# Altium PCB PFC_Interleaved_V8.1.PcbDoc (part 1 of 3) (continued)
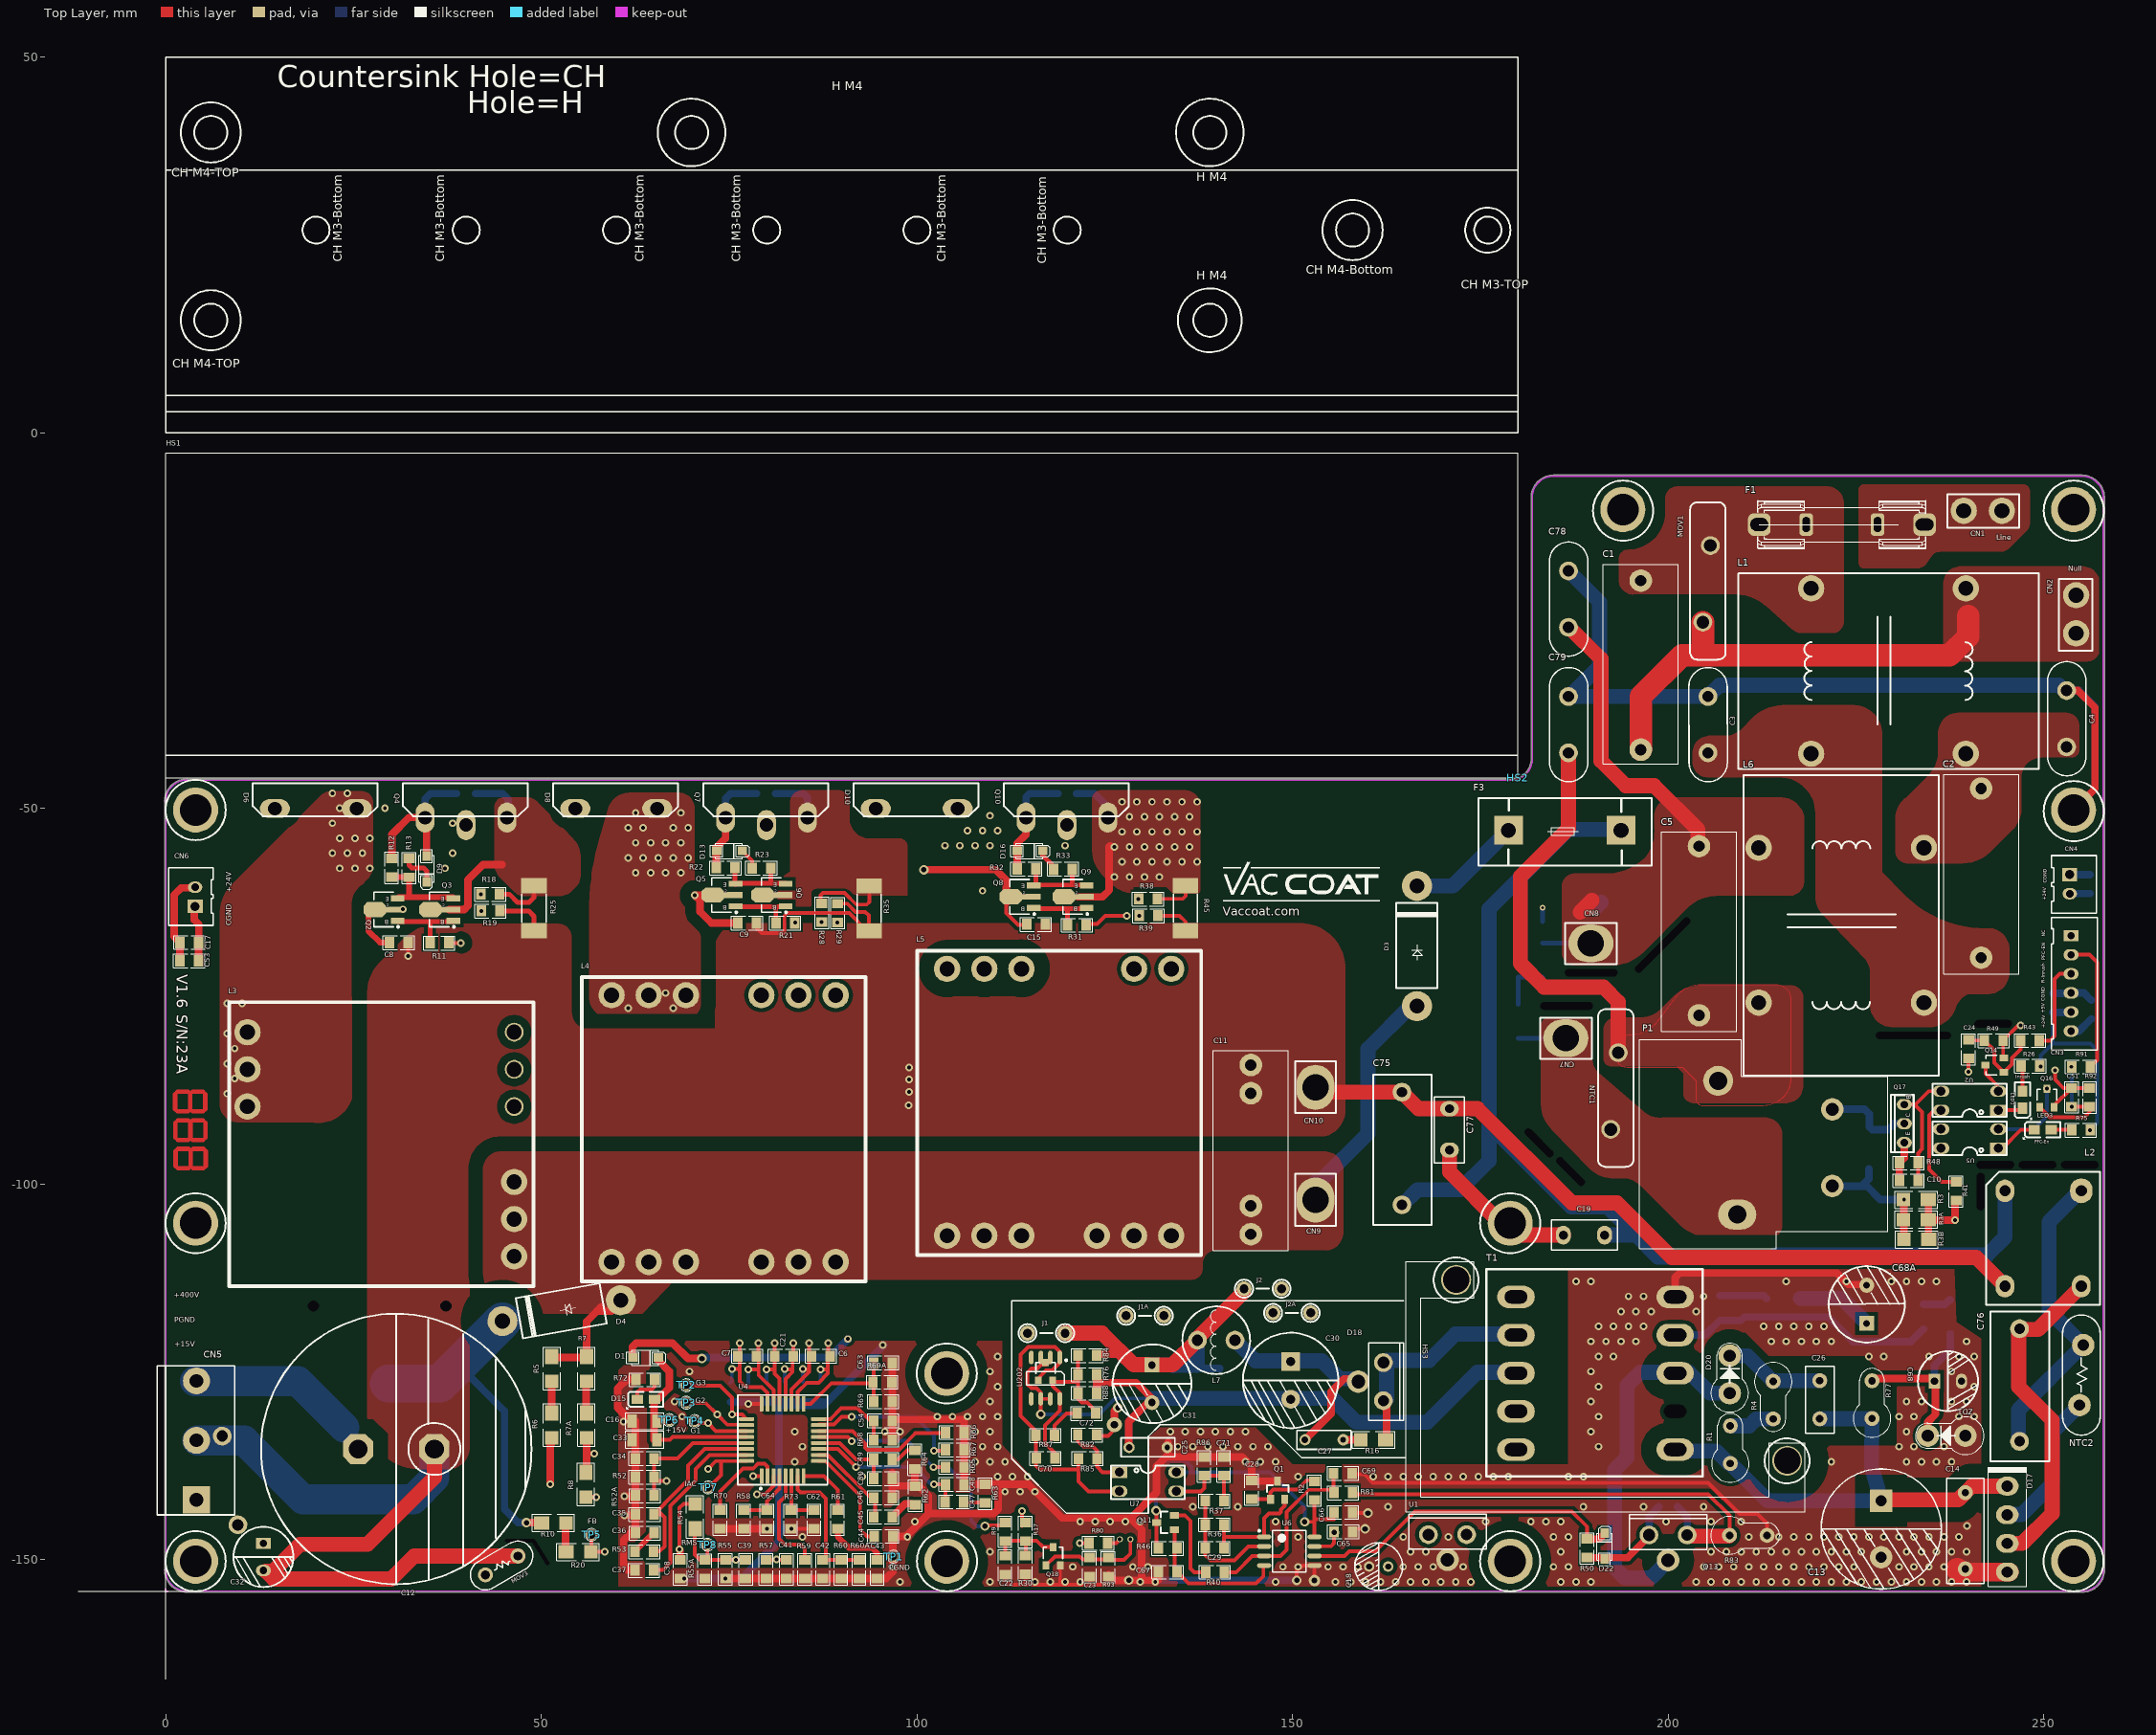
[diagram p0: Top Layer view]
## Components (designator, comment, footprint, x,y, rotation, side; value= is the part's Value field where it differs from the comment) (continued)
R54 "200K" R-1206 70.46,-144.17 r270 top
R55 "33K" R-0805 74.524,-151.257 r90 top
R55A "820K" R-0805 71.806,-151.282 r90 top
R56 "820K" R-1206 181.559,-65.024 r0 bottom
R56A "4.7M" R-1206 179.984,-70.87 r90 bottom
R57 "22K" R-0805 79.959,-151.257 r90 top
R58 "39K" R-0805 76.962,-144.653 r90 top
R59 "20K" R-0805 85.09,-151.257 r90 top
R60 "12K" R-0805 89.916,-151.257 r90 top
R60A "22K" R-0805 92.329,-151.257 r90 top
R61 "4.7K" R-0805 89.459,-144.653 r90 top
R62 "39K" R-0805 99.797,-141.453 r90 top
R63 "39K" R-0805 109.093,-141.199 r90 top
R64 "39K" R-0805 99.72,-136.677 r270 top
R65 "0R" R-0805 105.029,-137.693 r0 top
R66 "0R" R-0805 105.054,-133.071 r0 top
R67 "0R" R-0805 105.029,-135.382 r0 top
R68 "10K" R-0805 95.504,-134.075 r0 top
R69 "56K" R-0805 95.504,-128.95 r0 top
R69A "150K" R-0805 95.394,-126.388 r0 top
R70 "0R" R-0805 73.787,-144.653 r270 top
R72 "4.7K" R-0805 63.805,-126.009 r180 top
R73 "12K" R-0805 83.21,-144.653 r90 top
R75 "1K" R-0805 254.965,-92.786 r180 top
R76 "47K" R-0805 122.682,-125.374 r0 top
R77 "100K, 2W" RESISTOR_VERTICAL3 227.152,-131.191 r180 top
R79 "10K" R-0805 200.025,-142.951 r180 bottom
R80 "1K" R-0805 124.155,-147.777 r180 top
R81 "1K" R-0805 156.743,-141.072 r180 top
R82 "820R" R-0805 122.657,-133.375 r180 top
R83 "0.82, 2W" RESISTOR_VERTICAL3 208.178,-146.761 r90 top
R84 "27K" R-0805 122.682,-122.784 r180 top
R85 "1K" R-0805 122.733,-136.55 r0 top
R86 "2.2K" R-0805 138.252,-137.566 r90 top
R87 "10K" R-0805 117.094,-133.452 r180 top
R88 "3.3K" R-0805 122.682,-127.842 r0 top
R89 "330K-Axial 0.8" "Res DC Link  axial 0.6" 37.313,-116.23 r180 bottom
R91 "1K" R-0805 254.965,-84.404 r0 top
R92 "10K" R-0805 256.108,-88.468 r270 top
R93 "10K" R-0805 125.501,-150.978 r90 top
T1 "EE2525" EE2525_COMB4 200.076,-135.331 r90 top
TP1 "PGND" TEST-POINT 96.876,-149.581 r0 top
TP2 "G3" TEST-POINT 69.291,-126.771 r90 top
TP3 "G2" TEST-POINT 69.291,-129.083 r90 top
TP4 "G1" TEST-POINT 70.409,-131.547 r90 top
TP5 "FB" TEST-POINT 56.667,-146.685 r90 top
TP6 "+15V" TEST-POINT 67.031,-131.42 r90 top
TP7 "IAC" TEST-POINT 72.212,-140.386 r90 top
TP8 "RMS" TEST-POINT 72.136,-148.006 r90 top
U1 "7815A" TO220F-BENT-LEG 170.637,-148.336 r0 top
U2 "PC817" DIP_4 240.157,-88.9 r180 top
U4 "FAN9673" LQFP-32-FAN9673 82.113,-134.064 r90 top
U5 "PC817" DIP_4 240.157,-93.955 r180 top
U6 "UC3845" SO-8-W-L-FLY 149.581,-148.869 r0 top
U7 "PC817" DIP_4 130.747,-139.624 r0 top
U202 "TL431ACD" SO8+SOT23 118.974,-123.444 r0 top
ZD1 "1N5358B, 22VZ" DIODE_VERTICAL3 239.573,-133.502 r270 top

## Footprints (in the part's own frame and the unit in brackets; to place one, negate y for a bottom-side part, rotate by r counter-clockwise, add the part's x,y. Pads: shape width x height; smd on the part's side, far side on the other; paste and mask are expansions set on the pad)
832A1AS12VDCVDE-K [mm]
  round 4 hole 2.4: 2(-3.8,8.9)
  oval 5.08x4 hole 2.4: 3(-1.26,-8.9)
  round 3 hole 1.7: 4(11.4,5.1) 5(11.4,-5.1)
  silkscreen extent -14.27,-13.41 18.8,14.43, body extent -13.94,-13.21 18.57,14.22, height 1.71
BD137-K [mm]
  oval 1.5x2 hole 1: 1(-2.54,0) 2(0,0) 3(2.54,0)
  silkscreen extent -3.81,-1.27 3.81,1.78, body extent -4,-1.1 3.8,1.7, height 15.75
C-0805 [mm]
  rect 1.27x1.5 smd: 1(-1.245,0) 2(1.245,0)
  silkscreen extent -2.08,-0.94 2.08,0.89, body extent -1.02,-0.63 1.02,0.64, height 0.65
C-1206 [mil]
  rect 50x70 smd: 1(-65,0) 2(65,0)
  silkscreen extent -100,-44 100,45, body extent -63,-31 63,31, height 39
"Cap RAD7.5-16x35-2" [mm]
  rect 3x3 hole 1.5: 1(0,0)
  round 3 hole 1.5: 2(-7.5,0)
  silkscreen extent -11.75,-8 4.25,8, body extent -11.96,-8.26 4.52,8.22, height 25.4
"CAP RAD-0.2" [mm]
  round 2 hole 1: 1(0,0) 2(5.08,0)
  silkscreen extent -1.91,-1.91 6.98,1.91, body extent -0.54,-0.5 5.46,0.5, height 7
CAP-15mm-22mm-MKT-Qourum [mm]
  round 3 hole 1.5 mask+0: 1(-11.26,0) 2(11.26,0)
  silkscreen extent -13.17,-5 13.43,5, body extent -13.19,-5.08 13.31,4.92, height 18.51
CAP-15MM-22MM-MKT-QOURUM-2 [mm]
  round 3 hole 1.5 mask+0: 1(-11.26,0) 1(-7.5,0) 2(7.5,0) 2(11.26,0)
  silkscreen extent -13.17,-5 13.43,5, body extent -13.19,-5.08 13.31,4.92, height 18.51
CAP-ELEC-8MM*12MM [mm]
  rect 1.5x2 hole 1: 1(1.8,0)
  oval 1.5x2 hole 1: 2(-1.8,0)
  silkscreen extent -4,-4 4,4, body extent -4.05,-3.99 4,4, height 12.1
CAP-ELEC-10MM*20MM [mm]
  rect 2x2 hole 0.9: 1(2.54,0)
  round 2 hole 0.9: 2(-2.54,0)
  silkscreen extent -5.08,-5.13 5.08,5.08, body extent -5.04,-4.96 4.95,5.01, height 20.1
CAP-ELEC-12MM*25MM [mm]
  rect 2.5x2.5 hole 1.2: 1(2.5,0)
  round 2.5 hole 1.2: 2(-2.5,0)
  silkscreen extent -6.35,-6.35 6.35,6.35, body extent -6.34,-6.25 6.17,6.25, height 25.02
CAP-ELECTROLYTIC-680UF-2 [mm]
  oct 4x4 hole 2.5: 1(-5.08,0) 2(5.08,0)
  silkscreen extent -18,-18 18,18, body extent -17.86,-18.25 18.29,17.74, height 50.1
CAP-RAD-7.5MM-PFC [mm]
  round 2.5 hole 1.5: 1(-3.75,0) 2(3.75,0)
  silkscreen extent -7.61,-2.54 7.6,2.58, body extent -5.94,-2.48 6.06,2.52, height 14
CAP-TH-5MM [mm]
  oval 2x2.5 hole 1.2: 1(-2.75,0) 2(2.75,0)
  silkscreen extent -4.33,-2 4.49,2, body extent -4.45,-1.78 4.54,1.82, height 9.5
CAP-X-2 [mm]
  round 2.5 hole 1.4: 1(0,0) 2(0,15)
  silkscreen extent -3.94,-2.31 3.84,17.65, body extent -3.94,-2.29 3.81,17.65, height 16
CAP_ELECTROLYTIC1 [mm]
  rect 2x2 hole 1: 1(0,0)
  round 2 hole 1: 2(5,0)
  silkscreen extent -2.75,-5.25 7.75,5.25, body extent -2.63,-5.08 7.51,4.92, height 18.1
CAP_ELECTROLYTIC5 [mm]
  round 1.4 hole 0.8: 1(0,0) 2(2.54,0)
  silkscreen extent -1.91,-3.17 4.44,3.17, body extent -1.8,-2.87 4.33,3.12, height 12.1
"Common Mode inductor-3" [mm]
  round 3.5 hole 2: 1(11,-10.3) 2(-11,-10.3) 3(11,10.3) 4(-11,10.3)
  silkscreen extent -13,-20 13,20, body extent -12.85,-19.94 13.21,19.96, height 40
CONNECTOR-LUG [mm]
  round 3.5 hole 2: 1(-2.54,0) 1(2.54,0)
  silkscreen extent -4.83,-2.16 4.7,2.29, body extent -5.7,-1.47 5.8,1.53, height 13.1
CONNECTOR-LUG-2 [mm]
  oval 6x5 hole 3.5: 1(-0.051,-0.076)
  silkscreen extent -3.53,-2.77 3.38,2.67
CONNECTOR-XH-2 [mm]
  rect 1.8x2 hole 1.2: 1(-1.27,0)
  oval 1.5x1.905 hole 1.016: 2(1.27,0)
  silkscreen extent -3.81,-2.43 3.86,3.53, body extent -3.69,-2.31 3.74,3.42, height 6.85
CONNECTOR-XH-6 [mm]
  rect 1.5x2 hole 1: 1(-6.35,0)
  oval 1.5x2 hole 1: 2(-3.81,0) 3(-1.27,0) 4(1.27,0) 5(3.81,0) 6(6.35,0)
  silkscreen extent -8.79,-2.63 8.86,3.49, body extent -8.66,-2.49 8.71,3.35, height 7.21
DIODE-AXIAL-12MM-1200V [mm]
  round 2.5 hole 1.5: 1(6,0) 2(-6,0)
  silkscreen extent -4.25,-1.8 4.25,1.78, body extent -6.5,-1.78 6.5,1.78, height 3.68
DIODE_VERTICAL3 [mm]
  round 3 hole 1.6: 1(0,0) 2(0,-5)
  silkscreen extent -2.5,-6.65 2.5,2.5, body extent -2.5,-5.54 2.5,2.5, height 10.5
DIODEBRIDGE_KBP210 [mm]
  oval 2.5x3 hole 1.5: 1(0,0) 2(3.81,0) 3(7.62,0) 4(11.43,0)
  silkscreen extent -2.54,-2.54 13.33,2.54, body extent -1.78,-2.41 13.33,2.54, height 20
DIP_4 [mm]
  rect 2.2x1.5 hole 1.2: 1(-3.81,1.27)
  oval 2.2x1.5 hole 1.2: 2(-3.81,-1.27) 3(3.81,-1.27) 4(3.81,1.27)
  silkscreen extent -4.93,-2.29 4.93,2.16, body extent -3.94,-2.41 3.94,2.17, height 5.3
DO-214AC-SMA-2 [mm]
  rect 2x2.3 smd: 1(2.25,0) 2(-2.25,0)
  silkscreen extent -3.68,-1.55 3.43,1.47, body extent -2.72,-1.4 2.78,1.4, height 2.6
EE2525_COMB4 [mm]
  oval 3x5 hole 1.75 slot 3 at 90 deg: 1(0,-0.864) 3(10.16,-0.864) 4(15.24,-0.864) 5(20.32,-0.864) 6(20.32,20.32) 7(15.24,20.32) 8(10.16,20.32) 9(5.08,20.32) 10(0,20.32)
  round 0 hole 1.75 slot 3 at 90 deg unplated: 2(5.08,-0.864)
  silkscreen extent -3.56,-4.53 24,24.27, body extent -3.41,-4.13 24.09,23.87, height 19.71
"Fuse 5x20_V2" [mm]
  rrect50% 3x3 hole 1.6 slot 2.4 at 90 deg: 1(0,11)
  rrect50% 3x1.8 hole 1 slot 2 at 0 deg: 1(0,4.75) 2(0,-4.75)
  rrect50% 3x3 hole 1.7 slot 2.4 at 90 deg: 2(0,-11)
  silkscreen extent -3.18,-11.19 3.18,11.19, body extent -3.17,-11.69 3.17,11.69, height 8.63
"Fuse Combination" [mm]
  rect 3.81x3.81 hole 2: 1(0,0) 2(15,0)
  silkscreen extent -3.96,-4.7 19.04,4.3, body extent -4.66,-4.67 19.55,4.32, height 11.99
HEATSINK12 [mm]
  round 4 hole 3.5: 1(0,0) 4(24.079,44.069)
  silkscreen extent -3,-6.7 30.87,47.07, body extent -2.94,-6.91 31.06,47.09, height 32
HEATSINK-HC-1 [mm]
  silkscreen extent -180,0 0,40.16, body extent -180,0 0,39.98, height 120
HEATSINK-HC--PFC-2 [mm]
  silkscreen extent -180,-0.01 0,3, body extent -179.99,0 0.01,3.02, height 45
INDUCTOR-BAR-P5-D10 [mm]
  round 2.5 hole 1.5: 1(0,0) 2(0,-5)
  silkscreen extent -4.49,-6.99 4.51,2.01, body extent -4.06,-6.53 3.94,1.45, height 10
JUMPER-5MM [mm]
  round 2 hole 1.2: 1(-2.5,0) 2(2.5,0)
  silkscreen extent -3.7,-1.2 3.7,1.2, body extent -2.5,-0.18 2.5,0.22, height 0.2
LED-0805 [mil]
  rect 60x50 smd: 1(-45,0) 2(45,0)
  silkscreen extent -91,-40 103,50, body extent -41,-26 39,24, height 43
LQFP-32-FAN9673 [mm]
  rrect25% 2x0.508 smd: 1(-4.815,2.8) 2(-4.815,2) 3(-4.815,1.2) 4(-4.815,0.4) 5(-4.815,-0.4) 6(-4.815,-1.2) 7(-4.815,-2) 8(-4.815,-2.8) 17(4.815,-2.8) 18(4.815,-2) 19(4.815,-1.2) 20(4.815,-0.4) 21(4.815,0.4) 22(4.815,1.2) 23(4.815,2) 24(4.815,2.8)
  rrect25% 0.508x2 smd: 9(-2.8,-4.815) 10(-2,-4.815) 11(-1.2,-4.815) 12(-0.4,-4.815) 13(0.4,-4.815) 14(1.2,-4.815) 15(2,-4.815) 16(2.8,-4.815) 25(2.8,4.815) 26(2,4.815) 27(1.2,4.815) 28(0.4,4.815) 29(-0.4,4.815) 30(-1.2,4.815) 31(-2,4.815) 32(-2.8,4.815)
  silkscreen extent -6.58,-5.97 5.97,5.97, body extent -4.5,-4.5 4.5,4.5, height 1.1
MSOT-23 [mm]
  rect 0.9x1.1 smd: 1(-0.95,-1.223) 2(0.95,-1.223) 3(0,1.223)
  silkscreen extent -1.3,-0.3 1.3,1.18, body extent -1.45,-1.27 1.45,1.15, height 0.98
MUR460 [mm]
  round 4 hole 2: 1(-8,0) 2(8,0)
  silkscreen extent -5.61,-2.69 5.71,2.74, body extent -7.67,-2.49 7.77,2.62, height 7.56
NTC-8mm [mm]
  round 3 hole 1.5: 1(-4,0.25) 2(4,-0.25)
  silkscreen extent -8,-2.5 8,2.5, body extent -6.42,-0.94 6.27,1.06, height 13.46
PWL_5 [mm] "Connector; Header; 5 Position (Make www.tarahiboard.com)"
  rect 3.6x3.6 hole 1.8: 1(-7.92,0)
  round 3.6 hole 1.8: 3(0,0) 5(7.92,0)
  silkscreen extent -9.92,-5.1 9.9,5.21, body extent -9.9,-5 9.9,5, height 13.5
R-0805 [mm]
  rect 1.27x1.5 smd: 1(1.245,0) 2(-1.245,0)
  silkscreen extent -2.08,-0.89 2.08,0.94, body extent -1.02,-0.63 1.02,0.64, height 0.6
R-1206 [mil]
  rect 70x70 smd: 1(-62,0)
  rect 80x70 smd: 2(68,0)
  silkscreen extent -106,-45 117,45, body extent -63,-31 63,32, height 39
R-2512 [mm]
  rect 2x3.4 smd: 1(3,0) 2(-3,0)
  silkscreen extent -1.9,-1.6 1.9,1.6, body extent -3.34,-1.63 3.08,1.57, height 0.58
RAD-0.2-S-2 [mil]
  round 59.06 hole 35.43: 1(-100,0)
  round 60 hole 30: 2(100,0)
  silkscreen extent -142,-50 140,50, body extent -116,-18 120,22, height 276
RAD-0.4-AUX [mm]
  round 2 hole 1: 1(-5.08,0) 2(5.08,0)
  silkscreen extent -7,-2.5 7,2.5, body extent -6.91,-2.41 6.88,2.39, height 10
"Res DC Link  axial 0.6" [mm]
  round 3 / inner round 3 / far side round 0 hole 1.5: 1(0,0) 2(17.653,0)
  silkscreen extent 0.29,-3 17.37,3, body extent -1.46,-2.83 19.17,2.77, height 6.8
RESISTOR_VERTICAL3 [mm]
  round 2 hole 1: 1(0,0) 2(0,-5)
  silkscreen extent -2.5,-6.65 2.5,2.5, body extent -2.41,-5.67 2.57,2.54, height 21.31
SO8+SOT23 [mm]
  rect 0.9x0.95 smd: 1(-2.789,-2.667) 3(-1.839,-0.317) 8(-0.889,-2.667)
  oval 0.6x1.8 smd: 1(0.051,0.365) 2(-1.219,0.365) 3(-2.489,0.365) 4(-3.759,0.365) 5(-3.759,-5.143) 6(-2.489,-5.143) 7(-1.219,-5.143) 8(0.051,-5.143)
  silkscreen extent -4.35,-3.31 1.03,0.11, body extent -4.27,-5.56 0.56,0.63, height 1.7
SO-8-W-L-FLY [mm]
  oval 1.9x0.6 smd: 1(-3.35,1.905) 2(-3.35,0.635) 3(-3.35,-0.635) 4(-3.35,-1.905) 5(3.35,-1.905) 6(3.35,-0.635) 7(3.35,0.635) 8(3.35,1.905)
  silkscreen extent -4.14,-2.75 2.24,2.84, body extent -3.15,-2.44 3.05,2.39, height 1.7
SOD-123-2 [mil]
  rect 50x45 smd: 1(-65,0) 2(70,0)
  silkscreen extent -99,-40 108,40, body extent -68,-37 70,38, height 43
SOT89L-K [mm]
  rect 1.8x0.8 smd: 1(-1.428,-1.5) 3(-1.428,1.5)
  rect 3x0.8 smd: 2(-0.864,0)
  oct 3x2 smd: 2(1.626,0)
  silkscreen extent -1.63,-2.3 1.75,2.42, body extent -1.58,-2.25 2.42,2.25, height 1.5
SOT-23 [mm]
  rect 0.9x1.2 smd: 1(-0.95,-1.2) 2(0.95,-1.2) 3(0,1.2)
  silkscreen extent -1.42,-0.25 1.42,0.66, body extent -1.5,-1.25 1.5,1.25, height 1.05
TEST-POINT [mil]
  round 60 hole 40: 1(0,0)
  silkscreen extent -33,-33 33,33
TO220F-BENT-LEG [mm]
  round 2.5 hole 1.6: 1(-2.54,1.676)
  round 3 hole 1.8: 2(0,-1.676)
  round 2.5 hole 1.5: 3(2.54,1.676)
  silkscreen extent -5.15,-0.28 5.15,4.38, body extent -5,-1.68 5,4.39, height 23.95
TO247-2PIN-PFC-HC [mm]
  oval 4x2.5 hole 1.8: 1(-5.45,-0.8) 3(5.45,-0.8)
  silkscreen extent -8.38,-1.82 8.22,2.59, body extent -7.97,-2.39 7.98,2.64, height 27.5
TO247-3PIN-PFC-HC-1 [mm]
  oval 2.5x4 hole 1.8: 1(-5.45,-2) 2(0,-3) 3(5.45,-2)
  silkscreen extent -8.38,-1.82 8.22,2.59, body extent -7.97,-2.57 7.98,2.46, height 27.5
"Trans line small-2" [mm]
  oval 2.5x3 hole 1.5: 1(-4.883,6.681) 3(-4.883,-6.019) 4(5.277,-6.019)
  oval 3x3.3 hole 1.5: 2(5.277,6.681)
  silkscreen extent -7.37,-8.51 7.74,9.23, body extent -7.49,-8.51 7.87,9.27, height 22
TRANS-PQ3535-2 [mm]
  round 3.5 hole 2: 1(-17.755,5.016) 1(-17.755,9.97) 1(-17.755,14.922) 2(17.755,-14.922) 2(17.755,-9.97) 2(17.755,-5.016)
  round 2.5 hole 2: ""(17.755,5.016) ""(17.755,9.97) ""(17.755,14.922)
  silkscreen extent -20.17,-18.88 20.32,18.91, body extent -19.53,-18.29 19.47,18.31, height 41.8
TRANS-PQ3535-4 [mm]
  round 3.5 hole 2: 1(-17.755,-5.017) 1(-17.755,-14.923) 1(-17.755,-9.97) 2(17.755,9.97) 2(17.755,14.923) 2(17.755,-5.016) 2(17.755,5.017) 2(17.755,-14.922) 2(17.755,-9.969) ""(-17.755,9.969) ""(-17.755,14.922) ""(-17.755,5.016)
  silkscreen extent -20.17,-18.88 20.32,18.91, body extent -19.53,-18.29 19.47,18.31, height 41.8
TRANS-PQ3535-6 [mm]
  round 3.5 hole 2: 1(-17.755,-5.017) 1(-17.755,-14.923) 1(-17.755,-9.97) 2(17.755,9.97) 2(17.755,14.923) 2(17.755,-5.016) 2(17.755,5.017) 2(17.755,-14.922) 2(17.755,-9.969) ""(-17.755,9.969) ""(-17.755,14.922)
  silkscreen extent -20.17,-18.88 20.32,18.91, body extent -19.53,-18.29 19.47,18.31, height 41.8
VAR-7D-5MM-1200V [mm]
  round 2 hole 1.2: 1(-2.5,0) 2(2.5,0)
  silkscreen extent -4.51,-2 4.46,2, body extent -4.57,-1.68 4.42,1.92, height 9.5
VDR-20D [mm]
  round 2.5 hole 1.7: 1(-5.1,0.5) 2(5.1,-0.5)
  silkscreen extent -10.87,-2.2 10.1,2.53, body extent -11.08,-2.79 10.42,3, height 27.5

## Part data
C1 C2 C5: library part ECQ-U2A474ML, Category="Cap TH", PackageReference="Radial 26x16x8"
C3 C4 C6 C7 C16 C21 C33 C34 C35 C36 C37 C38 C39 C41 C42 C43 C44 C45 C46 C47 C48 C49 C50 C54 C55 C56 C57 C58 C59 C60 C62 C63 C64 C78 C79: library part DE2E3KY222MA2BM01
  C3 C4 C78 C79: Category="Cap TH", PackageReference="Disk D8x5mm"
  C6 C7 C21 C34 C35 C36 C37 C38 C39 C41 C42 C43 C44 C45 C46 C47 C48 C49 C50 C54 C55 C56 C57 C58 C59 C60 C62 C63 C64: Category="Cap SMD", PackageReference=0805
  C16 C33: Category="Cap SMD", PackageReference=1206
C8 C9 C10 C15 C19 C22 C23 C24 C51 C52 C75 C76 C77: library part "Cap 0805(2)"
  C8 C9 C10 C15 C22 C23 C24 C51 C52: Category="Cap SMD", PackageReference=0805
  C19 C77: Category="Cap TH", PackageReference="Disc Pin Space 5mm"
  C75 C76: Category="Cap TH", PackageReference=17x8x15mm(LWH)
C11 C70 C72: library part "Cap Semi"
  C11: Category="Cap TH", PackageReference="Radial 15mmx22mm"
  C70 C72: Category="Cap SMD", PackageReference=0805
C12 C32: library part 380LQ271M450K022, Category="Cap TH"
  C12: PackageReference="Can D35x50mm"
  C32: PackageReference="Can D8mmx12mm"
C13 C18 C30 C31 C68 C68A: library part CAPACITOR, Category="Cap TH"
  C13: PackageReference="Can D18mmx35mm"
  C18 C68: PackageReference="Can D8mmx12mm"
  C30: PackageReference="Can D12mmx25mm"
  C31 C68A: PackageReference="Can D10mmx20MM"
C14 C17 C20 C25 C26 C27 C28 C29 C53 C61 C65 C66 C67 C69 C71 C73 C74: library part Cap
  C14: Category="Cap TH"
  C17 C28 C29 C53 C65 C66 C67 C69 C71 C73 C74: Category="Cap SMD", PackageReference=0805
  C20 C61: Category="Cap SMD", PackageReference=1206
  C25 C27: Assembly=DNP, Category="Cap TH", PackageReference="Disck, 5mm Space Pin"
  C26: Category="Cap TH", PackageReference="Disk 5mm Space pin"
CN1 CN2 CN7 CN8 CN9 CN10: library part Socket
  CN1 CN2: Category="Connector TH", PackageReference=Connector-Lug
  CN7 CN8 CN9 CN10: Category=Hole-Wire, PackageReference=Hole-Wire
CN3: library part "Header 6", Category="Connector TH", PackageReference=XH-6Right-F/M
CN4 CN6: library part "Header 2", Category="Connector TH"
  CN4: PackageReference=XH-2Right-F/M
  CN6: PackageReference=XH-2-F/M
CN5: library part "Header 5", Category="Connector TH", PackageReference=VH-5
D1 D2: library part MUR460
  D1: Category="Diode TH", PackageReference=SOD-123-2
  D2: Category="Diode SMD", PackageReference=SMA, PartNumber=SS14
D3 D4 D6 D8 D10: library part DSEP30-06A, Category="Diode TH"
  D3 D4: PackageReference=DO-201AD
  D6 D8 D10: PackageReference=TO-247-F2
D5: library part "Diode Zener Mini Melf", Category="Diode TH", PackageReference=D0-204
D9 D13 D16 D20 D21 D22 D215: library part Diode
  D9 D13 D16 D22: Category="Diode SMD", PackageReference=SOD-123-2
  D20: Category="Diode TH", PackageReference=SOD-57
  D21 D215: Category="Diode SMD", PackageReference=SMA
D12 D14: library part "Diode 1N4148", Category="Diode SMD", PackageReference=SMA, PartNumber=US1M(700V)
D15: library part LED0, Category="LED SMD", PackageReference=0805
D17: library part "Bridge KBL", Category="Diode TH", PackageReference="Bridge Diode TH"
D18: library part "Diode MeanWell-1", Category="Diode TH", PackageReference=TO-220F
F1 F3: library part "Fuse 2", Category="Fuse TH"
  F1: PackageReference="Fuse 5x20"
  F3: PackageReference=20mmx5mm
HS1 HS2 HS3: library part HeatSink, Category="Heat Sink"
  HS1: PackageReference=180x125x55mm/81.03x40.04x150mm
  HS2: PackageReference="3mm Aluminium"
  HS3: PackageReference="NSC-Heat Sink"
J1 J1A J2 J2A: library part Jumper, Category="Wire Jumper", PackageReference="Wire Jumper-5mm"
L1 L2 L6: library part "Trans Cupl", Category="Inductor EMI TH", PackageReference="TH 40mm*25mm"
L3 L4 L5 L7: library part Inductor, Category="Inductor TH"
  L3 L4 L5: PackageReference=PQ3232
  L7: PackageReference="Can 9x12"
LED1 LED3: library part "Diode LED1 SMD", Category="LED SMD", PackageReference=0805
MOV1 MOV3: library part B72207S2301K101, Category="Varistor TH"
  MOV1: PackageReference="Disc 20mm"
  MOV3: PackageReference="Disc 7mm"
NTC1 NTC2: library part Res2, Category="NTC TH"
  NTC1: PackageReference="Disc 20mm"
  NTC2: PackageReference="Disc 15mm"
P1: library part Relay-SPDT, Category="Relay TH", PackageReference=MODULE5B
Q1: library part BCW68G, Category="Transistor SMD", PackageReference=SOT-23
Q4 Q7 Q10: library part "MOSFET N-CH", Category="Mosfet TH", PackageReference=TO-247
Q11 Q14 Q16 Q18: library part BC817-40, Category="Transistor SMD", PackageReference=SOT-23
Q13: library part IRF530N, Category="Mosfet TH", PackageReference=TO-220F
R1 R2 R3 R3A R3B R4 R5 R6 R7 R7A R8 R9 R10 R11 R12 R13 R14 R16 R17 R18 R19 R20 R21 R22 R23 R24 R25 R26 R27 R27A R28 R29 R30 R31 R32 R33 R34 R35 R36 R37 R38 R39 R40 R41 R43 R45 R46 R47 R47A R47B R48 R49 R50 R52 R52A R53 R54 R55 R55A R56 R56A R57 R58 R59 R60 R60A R61 R62 R63 R64 R65 R66 R67 R68 R69 R69A R70 R72 R73 R75 R76 R77 R79 R80 R81 R82 R83 R84 R85 R86 R87 R88 R91 R92 R93: library part Res1
  R1 R4 R77: Category="Resistor TH", PackageReference="Axial 0.4"
  R2 R9 R11 R12 R13 R14 R17 R18 R19 R21 R22 R23 R24 R26 R28 R29 R30 R31 R32 R33 R34 R36 R37 R38 R39 R40 R41 R43 R46 R48 R49 R50 R52 R52A R53 R55 R55A R57 R58 R59 R60 R60A R61 R62 R63 R64 R66 R67 R68 R69 R69A R70 R72 R73 R75 R76 R79 R80 R81 R82 R84 R85 R86 R87 R88 R91 R92 R93: Category="Resistor SMD", PackageReference=0805
  R3 R3A R3B R5 R6 R8 R10 R20 R27 R27A R47 R47A R47B R54 R56 R56A: Category="Resistor SMD", PackageReference=1206
  R7 R7A R16: Assembly=DNP, Category="Resistor SMD", PackageReference=1206
  R25 R35 R45: Category="Resistor SMD", PackageReference=2512
  R65: Assembly=DNP, Category="Resistor SMD", PackageReference=0805
  R83: Category="Resistor SMD", PackageReference="Axial 0.3"
R89: library part "Res Semi", Category="Resistor TH", PackageReference="Axial 0.8"
T1: library part flyback-ILPFC-2, Category="Transformer TH", PackageReference=EE2525
TP1 TP2 TP3 TP4 TP5 TP6 TP7 TP8: library part "TEST POINT", Category="Test Point", PackageReference="Test Point"
  TP1 TP2 TP3 TP4 TP6 TP7 TP8: Assembly=DNP
U1: library part MC7808CT, Category="IC TH", PackageReference=TO-220F
U2 U5 U7: library part TLP521, Category="IC TH", PackageReference=DIP-4
U6: library part UC3842, Category="IC SMD", PackageReference=SO8
ZD1: library part "D Zener", Category="Diode TH", PackageReference=DO-35-2
Q2 Q3 Q5 Q6 Q8 Q9: Category="Transistor SMD", PackageReference=SOT89
Q17: Category="Transistor TH", PackageReference=TO-126
U4: Category="IC SMD", PackageReference=LQFP-32
U202: Category="IC SMD", PackageReference=SO8

## Free pads (board coordinates)
  round 6 hole 4.2: 0(3.978,-50.203) 0(103.978,-150.203) 0(193.978,-10.203) 0(253.978,-50.203) 0(253.978,-10.203) ""(3.978,-150.203) ""(3.978,-105.203) ""(103.978,-125.204) ""(178.978,-150.203) ""(178.978,-105.203) ""(253.978,-150.203)
  round 0 hole 4.4: 0(6,15) 0(6,40) 0(70,40) 0(139,15) 0(139,40) 0(158,27)
  round 0 hole 3.6: 0(20,27) 0(40,27) 0(60,27) 0(80,27) 0(100,27) 0(120,27) 0(176,27)
  round 1.524 hole 0.762: 0(152.931,-152.778)
  round 0 hole 0.5 slot 4 at 0 deg unplated: ""(47.168,-147.472)
  round 0 hole 0.5 slot 4 at 122 deg unplated: ""(49.886,-148.971)
  round 0 hole 1 slot 5 at 135 deg unplated: ""(182.829,-94.513) ""(187.02,-98.323)
  round 0 hole 1 slot 7 at 0 deg unplated: ""(186.487,-76.276) ""(189.763,-71.857)
  round 0 hole 1 slot 10 at 45 deg unplated: ""(199.288,-68.174)
  round 0 hole 1 slot 10 at 0 deg unplated: ""(232.664,-80.213)
  round 0 hole 1 slot 5 at 90 deg unplated: ""(241.605,-100.99)
  round 0 hole 1 slot 5 at 0 deg unplated: ""(243.281,-78.664) ""(243.561,-97.434) ""(249.187,-97.434) ""(254.813,-97.434)

## Via types
v1: diameter 1, hole 0.5, Top Layer to Bottom Layer, tented both sides, 348 vias
v2: diameter 1.016, hole 0.508, Top Layer to Bottom Layer, tented both sides, 58 vias
v3: diameter 1, hole 0.5, Top Layer to Bottom Layer, 12 vias
v4: diameter 1.27, hole 0.711, Top Layer to Bottom Layer, tented both sides, 10 vias
v5: diameter 0.8, hole 0.5, Top Layer to Bottom Layer, 2 vias
v6: diameter 1.27, hole 0.711, Top Layer to Bottom Layer, 2 vias
v7: diameter 0.762, hole 0.406, Top Layer to Bottom Layer, 1 vias
v8: diameter 2, hole 1, Top Layer to Bottom Layer, 1 vias
v9: diameter 1.2, hole 0.7, Top Layer to Bottom Layer, 1 vias

## Nets (pads, with @x,y where several pads share a name; then routed paths per layer and width w, separated by ;. In a path a pad name is that pad's centre, name@x,y a point inside that pad or via, vN(x,y) a via of type N, cw(c..) or ccw(c..) an arc to the next point about the centre after c; other vN are vias at no path point)
+5V: C52.1 CN3.5 R26.2 R75.2 | length 27.6
  Top Layer w0.5: v3(249.606,-84.328) R26.2@249.631,-84.328
  Top Layer w1: v3(256.184,-92.812) R75.2@256.21,-92.786
  Bottom Layer w0.5: v3(249.606,-84.328) 249.606,-82.906 251.206,-81.305 ; C52.1@251.206,-77.14 251.206,-81.305 ; v3(256.184,-92.812) 257.101,-91.895 257.101,-82.171 256.235,-81.305 251.206,-81.305
  Bottom Layer w1: C52.1@251.206,-77.14 253.594,-77.14 CN3.5@253.644,-77.089
+15V: C8.1 C9.1 C15.1 C18.1 C32.1 CN5.1 D1.1 D5.2 MOV3.1 Q2.2 Q5.2 Q8.2 R3.2 R3A.2 R3B.2 R17.1 R41.2 R80.1 U1.3 | length 534.2
  Top Layer w0.5: Q8.2@112.497,-61.747 112.497,-62.426 112.354,-62.426 111.873,-62.907 111.873,-63.892 113.487,-65.507 C15.1@114.681,-65.507 ; R17.1@113.97,-145.482 v3(113.97,-143.535) ; v3(121.666,-147.803) 121.691,-147.777 R80.1@123.155,-147.777
  Top Layer w0.762: Q2.2@29.058,-63.475 27.28,-63.475 26.958,-63.796 26.958,-66.278 28.524,-67.843 C8.1@29.769,-67.843 ; Q8.2@111.887,-61.722 Q8.2@112.827,-61.722
  Top Layer w1: D1.1@62.103,-123.012 62.103,-121.666 62.611,-121.158 67.462,-121.158 69.52,-123.215 v4(71.374,-123.215) ; Q5.2@73.558,-61.519 73.533,-61.544 v2(70.409,-61.544) 71.154,-62.289 71.137,-62.306 71.137,-63.746 72.619,-65.227 C9.1@76.149,-65.227 ; v4(100.914,-58.141) 110.49,-58.141 111.887,-59.538 Q8.2@111.887,-61.722 ; R3B.2@234.671,-107.374 234.671,-104.775 v3(238.201,-104.775) 238.201,-102.357 R41.2@238.354,-102.204 ; R3A.2@234.671,-104.453 R3.2@234.671,-102.133
  Signal Layer 1 w0.762: v2(31.547,-63.424) 37.516,-63.424 40.97,-59.969 43.129,-59.969 46.507,-63.348 95.051,-63.348 ; 70.409,-63.094 v2(70.409,-61.544) ; v2(90.805,-120.625) v2@90.83,-120.625
  Signal Layer 1 w1: v2@90.83,-120.625 90.878,-120.625 95.204,-116.298 95.204,-63.597 100.66,-58.141 v4(100.914,-58.141)
  Signal Layer 2 w1: v4(71.374,-123.215) 71.374,-125.857 73.254,-127.737 79.959,-127.737 82.378,-130.155 82.378,-143.078 ; 110.709,-143.113 110.744,-143.078 ; 171.272,-142.469 180.391,-142.469 187.35,-135.509 187.35,-120.015 195.708,-111.657 235.713,-111.657 238.201,-109.169 v3(238.201,-104.775)
  Signal Layer 2 w2: CN5.1@3.845,-142.108 4.182,-142.108 6.396,-142.108 12.217,-147.93 C32.1@13.36,-147.93 ; C32.1@13.36,-147.958 17.853,-152.451 60.604,-152.451 68.224,-144.831 72.873,-144.831 74.625,-143.078 82.378,-143.078 110.744,-143.078 116.891,-143.078 122.863,-149.05 159.286,-149.05 159.388,-148.947 159.485,-148.947 162.636,-145.796 ; C18.1@162.738,-150.774 162.738,-145.898 162.636,-145.796 ; U1.3@173.177,-146.66 173.177,-144.78 171.455,-143.058 165.374,-143.058 162.636,-145.796
  Bottom Layer w0.762: v2@90.805,-120.65 v2(90.805,-120.625)
  Bottom Layer w1: v4(71.374,-123.215) 71.501,-123.088 88.367,-123.088 v2@90.805,-120.65
+15VD: C16.2 C33.2 D1.2 D15.1 TP6.1 U4.28 | length 27
  Top Layer w0.5: C33.2@64.999,-134.036 67.107,-134.036 67.479,-133.664 U4.28@77.298,-133.664 ; C16.2@64.999,-131.549 C16.2@65.128,-131.42
  Top Layer w1: C33.2@64.999,-134.036 64.999,-131.549 64.999,-129.159 67.031,-127.127 67.031,-124.917 65.532,-123.419 D1.2@65.532,-123.012 ; C16.2@65.128,-131.42 TP6.1@67.031,-131.42
+24V-S: C20.2 C31.1 J1.1 J2.1 L7.2 R27.2 R27A.2 R84.2 | length 51.6
  Top Layer w1: 124.663,-122.657 126.695,-122.657 127.559,-123.52 C31.1@130.734,-123.52
  Top Layer w2: J1.1@119.721,-119.837 124.638,-119.837 128.88,-124.079 C31.1@131.293,-124.079 134.04,-124.079 L7.2@137.342,-120.777 137.342,-120.519 J2.1@143.408,-114.452
  Bottom Layer w1: R27A.2@137.342,-124.536 C20.2@140.335,-124.536
  Bottom Layer w2: C31.1@131.293,-124.079 137.291,-124.079 R27A.2@137.342,-124.13 ; R27.2@134.163,-124.155 134.188,-124.13 R27A.2@137.342,-124.13 ; L7.2@137.342,-120.777 R27A.2@137.342,-124.13
+24V-SB: C27.1 C30.1 C61.2 D18.2 L7.1 R82.2 | length 63.6
  Top Layer w0.5: R82.2@124.126,-133.506 125.454,-133.506 126.293,-132.668 v8(126.293,-132.029) ; v8@125.658,-132.185 v8@126.293,-131.55
  Top Layer w1: v8(126.293,-132.029) 126.293,-131.55 126.293,-130.222 v6(126.746,-129.769) ; C27.1@151.663,-134.036 155.143,-130.556 155.143,-127.635 156.87,-125.908 D18.2@159.182,-125.908
  Signal Layer 1 w1: v6(126.746,-129.769) 130.2,-126.314 146.558,-126.314 149.236,-123.636 C30.1@149.758,-123.636
  Bottom Layer w2: L7.1@142.342,-120.777 145.085,-123.52 153.899,-123.52 156.286,-125.908 D18.2@159.182,-125.908
BIBO: C38.2 R6.1 R54.1 | length 43.8
  Top Layer w0.5: v2(68.402,-148.641) 68.402,-143.104 68.936,-142.57 70.434,-142.57 R54.1@70.46,-142.596
  Top Layer w1: v2(51.181,-139.929) 51.181,-134.722 R6.1@51.333,-134.569 ; v2(68.402,-148.641) 68.478,-148.717 C38.2@68.478,-150.012
  Signal Layer 1 w1: v2(51.181,-139.929) 51.181,-147.523 55.702,-152.044 66.777,-152.044 68.402,-150.419 v2(68.402,-148.641)
BUS: C11.2 CN9.1 D3.1 D4.1 L3.2 L4.2 L5.2 R5.2 R7.2 | length 43
  Top Layer w1: R5.2@51.257,-123.063 R7.2@55.956,-123.063 ; R7.2@56.007,-122.961 56.007,-118.313 57.404,-116.916 ; 57.988,-116.332 57.404,-116.916 ; D4.1@59.359,-116.916 57.404,-116.916
  Bottom Layer w2: CN9.1@153.137,-99.619 153.686,-99.619 160.045,-93.259 160.045,-81.99 D3.1@165.735,-76.301
CGND: C20.1 C25.1 C30.2 C31.2 C61.1 J1A.2 J2A.2 R27.1 R27A.1 R76.1 R88.1 T1.8 U202.2 U202.3 U202.6 U202.7 | length 148.5
  Top Layer w0.5: v4(116.484,-130.632) U202.6@116.484,-128.587 ; U202.3@116.805,-123.761 116.004,-124.562 115.24,-124.562 114.706,-125.095 114.706,-126.619 115.265,-127.178 115.926,-127.178 116.484,-127.737 U202.6@116.484,-128.587 ; U202.7@117.754,-128.587 U202.6@116.484,-128.587
  Top Layer w1: U202.3@116.805,-123.761 U202.3@117.135,-123.761 ; R88.1@123.927,-127.842 R76.1@123.927,-125.374 ; 124.353,-126.414 129.186,-126.414 131.293,-128.52 128.194,-131.619 C25.1@128.194,-135.052
  Signal Layer 2 w2: C31.2@131.293,-129.079 131.735,-128.636 133.238,-128.636 ; J1A.2@132.853,-117.526 132.853,-121.093 134.823,-123.063 134.823,-127.051 133.238,-128.636 ; J2A.2@147.411,-117.145 145.694,-118.861 145.694,-128.636 ; C30.2@149.758,-128.636 145.694,-128.636 ; 133.238,-128.636 145.694,-128.636
  Bottom Layer w0.5: v4(116.484,-130.632) 124.282,-130.632 125.073,-129.841 125.073,-129.83 126.274,-128.63 126.281,-128.63 126.39,-128.52 C31.2@131.293,-128.52
  Bottom Layer w1: C25.1@128.194,-135.052 128.194,-131.619 C31.2@131.293,-128.52
  Bottom Layer w2: C31.2@131.293,-128.52 155.292,-128.52 158.471,-131.699 167.945,-131.699 174.6,-125.044 T1.8@179.73,-125.044
CGND1: C17.1 C53.1 CN6.1 J1A.1 | length 213.9
  Top Layer w1: CN6.1@3.912,-63.017 3.81,-63.119 3.81,-64.821 4.394,-65.405 C17.1@4.394,-67.843 4.369,-67.869 C53.1@4.369,-70.282
  Signal Layer 2 w2: CN6.1@3.912,-63.017 3.859,-63.07 3.859,-92.06 13.183,-101.384 13.183,-135.966 19.971,-142.755 40.351,-142.755 67.561,-115.545 120.04,-115.545 122.047,-117.551 J1A.1@127.751,-117.551
CGND2: C24.2 C51.2 C52.2 C73.1 C74.1 CN3.4 CN4.1 J2A.1 Q14.2 Q16.2 R49.2 R92.2 | length 209.6
  Top Layer w0.5: v3(239.979,-85.039) 240.005,-85.014 C24.2@240.005,-83.287 ; Q14.2@244.707,-83.226 244.602,-83.121 R49.2@244.602,-80.874 v3@246.659,-78.816 ; Q16.2@251.394,-89.767 251.394,-89.525 C51.2@253.721,-87.198 ; v3(251.536,-84.836) 251.511,-84.861 251.511,-86.081 252.628,-87.198 C51.2@253.721,-87.198 ; R92.2@256.108,-87.224 253.746,-87.224 C51.2@253.721,-87.198
  Signal Layer 2 w0.5: v3(239.979,-85.039) 239.979,-82.474 240.182,-82.271 ; v3(246.939,-78.892) 246.939,-81.178 248.691,-82.931 249.352,-82.271
  Signal Layer 2 w2: J2A.1@152.411,-117.145 156.972,-117.145 176.124,-97.993 176.124,-78.384 180.645,-73.863 196.723,-73.863 203.352,-67.234 216.56,-67.234 222.326,-73 222.326,-78.384 226.212,-82.271 240.182,-82.271 249.352,-82.271 251.485,-82.271 ; v3@251.485,-84.785 251.485,-82.271 ; CN4.1@253.467,-58.801 254.813,-58.801 256.21,-60.198 256.21,-73.508 ; CN3.4@253.644,-74.549 255.168,-74.549 256.351,-73.367 256.351,-80.848 254.928,-82.271 251.485,-82.271
  Bottom Layer w1: C52.2@251.231,-74.625 253.568,-74.625 CN3.4@253.644,-74.549 255.372,-74.549 C74.1@256.337,-75.514 ; CN4.1@253.467,-58.801 256.134,-58.801 C73.1@256.159,-58.826
CM1: C22.1 Q18.3 R9.2 R17.2 R30.1 | length 11.7
  Top Layer w0.5: C22.1@111.805,-149.679 111.76,-149.724 111.76,-147.456 111.785,-147.482 R17.2@114.478,-147.482 ; R17.2@114.005,-147.447 115.926,-147.447 116.793,-148.314 Q18.3@118.11,-148.314 ; R30.1@114.452,-149.555 114.478,-149.53 R17.2@114.478,-147.482 ; R17.2@114.513,-147.447 R17.2@114.478,-147.482
CS: C69.2 R40.1 R81.1 U6.3 | length 24.2
  Top Layer w0.5: R40.1@140.919,-151.663 142.494,-151.663 144.653,-149.504 U6.3@146.231,-149.504 148.387,-149.504 149.2,-148.692 149.2,-143.67 152.179,-140.691 R81.1@155.245,-140.691 ; C69.2@155.473,-138.532 155.473,-140.183 155.473,-140.885 R81.1@155.499,-140.911
CS1_N: C7.1 C56.1 R19.1 U4.22 | length 84.9
  Top Layer w0.5: v2@77.552,-124.633 v2@77.572,-124.653 ; v2@77.572,-124.643 78.923,-124.643 ; C7.1@78.867,-122.911 78.918,-122.86 v2(78.918,-121.158) ; C7.1@78.923,-122.967 78.923,-124.643 ; U4.22@80.913,-129.249 80.913,-127.42 78.923,-125.431 78.923,-124.643
  Signal Layer 1 w0.5: v2(41.986,-63.678) 41.986,-66.167 75.311,-99.492 75.311,-108.681 75.286,-108.706 75.286,-112.02 75.311,-112.045 75.311,-116.448 77.139,-118.248 78.918,-120.026 v2(78.918,-121.158)
  Bottom Layer w0.5: C56.1@77.552,-126.432 v2(77.552,-124.643)
  Bottom Layer w0.762: v2(41.986,-63.678) v2@41.986,-63.627
CS1_P: C7.2 C55.1 R18.1 U4.23 | length 88.7
  Top Layer w0.5: v2(75.362,-124.612) 76.383,-124.612 76.414,-124.643 ; C7.2@76.378,-122.911 76.403,-122.885 v2@76.403,-121.209 ; C7.2@76.434,-122.967 76.434,-126.244 77.216,-127.025 79.324,-127.025 80.113,-127.814 U4.23@80.113,-129.249
  Signal Layer 1 w0.5: v2(41.935,-61.417) 40.869,-62.484 40.869,-66.116 74.397,-99.644 74.397,-117.119 76.403,-119.126 v2(76.403,-121.158)
  Bottom Layer w0.5: C55.1@75.139,-126.472 75.362,-126.249 v2(75.362,-124.612)
  Bottom Layer w0.762: v2(41.935,-61.417) v2@41.961,-61.392
CS2_N: C21.1 C58.1 R29.1 U4.20 | length 79.6
  Top Layer w0.5: v2@82.378,-124.643 83.45,-124.643 83.45,-125.008 82.513,-125.945 U4.20@82.513,-129.249 ; 83.45,-124.581 83.45,-122.994 C21.1@83.537,-122.907 v2@83.537,-121.16 ; v2@83.537,-121.158 v2@83.537,-121.16 ; v2@83.541,-121.156 v2@83.537,-121.16
  Signal Layer 1 w0.5: v2@83.541,-121.222 v2(83.541,-121.158) 83.541,-118.847 83.938,-118.45 91.633,-118.45 94.2,-115.882 94.2,-67.639 91.712,-65.151 v2(89.433,-65.151)
  Bottom Layer w0.5: C58.1@82.378,-126.35 v2(82.378,-124.581)